# KiCad board SNES Device.kicad_pcb (continued)
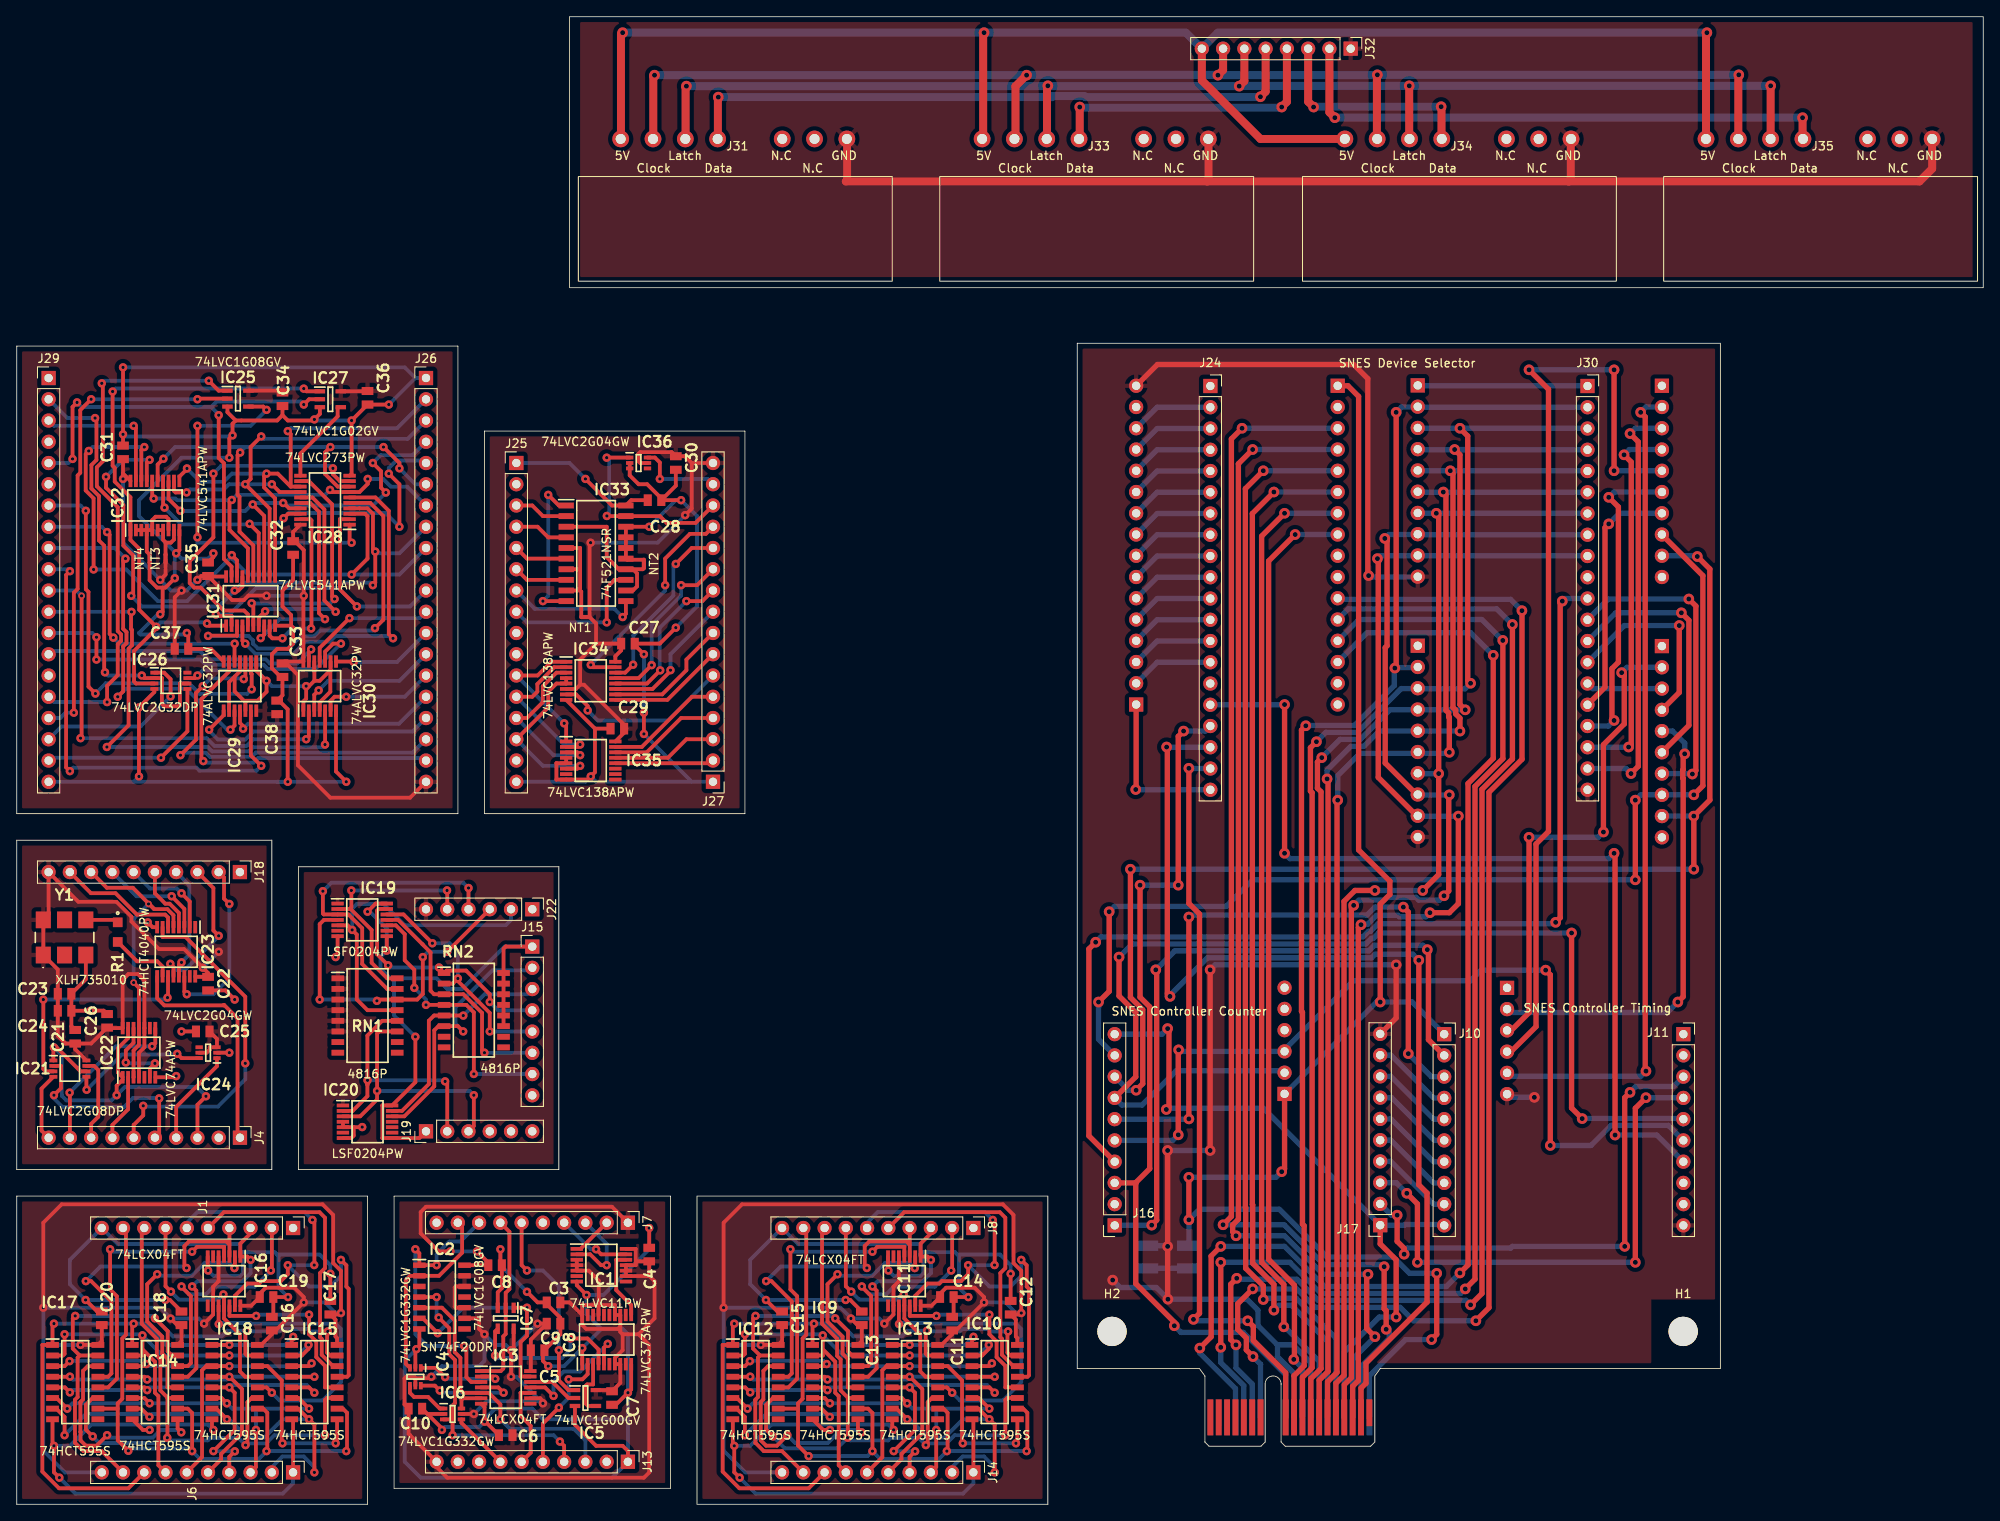
[diagram p0: board, top side]
## Routing (per net, layer and track width the routed paths; a pad name or vN(x,y) marks a point on that pad's centre or on a via; arc(x,y) is an arc through that point) (continued)
/SNES Controller Device/SNES Device Selector/Data3: length 60.8
  Top w0.45: IC32.15 16.84,124.28 v1(17.53,124.97) ; v1(26.69,125.71) 26.38,125.4 26.38,120.66 26.61,120.42 26.61,116.26 28.26,114.61 IC31.15 ; 39.77,121.64 38.34,121.64 36.83,123.15 36.83,125.73 v1(37.47,126.36) ; v1(43.81,126.36) 45.72,124.46 v1(45.72,123.82)
  Bottom w0.45: v1(43.81,126.36) v1(37.47,126.36) 27.3,126.36 ; v1(26.69,125.71) 26.69,125.75 27.3,126.36 ; 27.3,126.36 18.92,126.36 v1(17.53,124.97) ; J26.6 47.63,121.91 v1(45.72,123.82)
/SNES Controller Device/SNES Device Selector/Data4: length 54.5
  Top w0.45: v1(17.65,119.13) 17.49,119.29 IC32.14 ; v1(45.72,116.84) 45.72,121.92 v1(44.45,123.19) ; IC31.14 28.92,116.09 v1(27.82,117.19) ; IC28.18 32.41,118.39 v1(31.88,117.86)
  Bottom w0.45: 48.6,124.75 45.34,124.75 44.45,123.86 v1(44.45,123.19) ; v1(45.72,116.84) 44.08,118.48 32.5,118.48 v1(31.88,117.86) 31.21,117.19 v1(27.82,117.19) 27.75,117.12 19.66,117.12 v1(17.65,119.13)
/SNES Controller Device/SNES Device Selector/Data5: length 53.1
  Top w0.45: v1(44.1,120.93) 43.53,121.5 43.53,123.48 v1(42.55,124.46) ; v1(31.83,119.68) 31.9,119.68 32.54,119.04 IC28.17 ; IC31.13 29.57,118.14 v1(28.19,119.51) ; v1(19.56,118.74) 18.14,120.17 IC32.13
  Bottom w0.45: 28.23,119.67 28.23,119.55 v1(28.19,119.51) ; 28.23,119.67 31.83,119.67 v1(31.83,119.68) 32.13,119.38 42.55,119.38 v1(44.1,120.93) ; 28.23,119.67 27.29,118.73 19.57,118.73 v1(19.56,118.74) ; J26.4 47.3,125.4 43.48,125.4 v1(42.55,124.46)
/SNES Controller Device/SNES Device Selector/Data6: length 56.6
  Top w0.45: IC28.14 31.41,120.99 v1(30.48,121.92) ; IC31.12 30.21,119.01 v1(27.3,121.92) 27.94,122.55 27.94,126.36 v1(29.21,127.63) ; v1(20.29,120.94) 18.98,120.94 18.79,121.13 IC32.12
  Bottom w0.45: v1(20.29,120.94) 20.65,121.3 24.74,121.3 25.36,121.92 v1(30.48,121.92) ; v1(29.21,127.63) 29.5,127.35 46.71,127.35 J26.3
/SNES Controller Device/SNES Device Selector/Data7: length 54.4
  Top w0.45: 19.43,122.83 20.34,123.73 v1(20.34,123.81) ; v1(32.39,128.27) 32.73,127.93 32.73,121.64 ; IC31.11 30.86,120.23 29.56,121.54 29.56,122.9 v1(29.85,123.19) 31.18,123.19 32.73,121.64 IC28.13
  Bottom w0.45: v1(20.34,123.81) 21.94,122.21 24.73,122.21 25.71,123.19 v1(29.85,123.19) ; J26.2 45.44,128.62 32.73,128.62 v1(32.39,128.27)
/SNES Controller Device/SNES Device Selector/Presence3: length 9.7
  Top w0.45: IC32.2 IC32.3 IC32.4 ; NT4.2 15.54,113.87 IC32.4 ; IC32.4 IC32.5 16.18,117.63 16.59,118.03 17.86,118.03 18.14,117.75 IC32.8
/SNES Controller Device/SNES Device Selector/Presence7: length 6
  Top w0.45: IC32.9 18.79,115.3 18.42,114.93 17.83,114.93 ; 17.83,114.93 17.78,114.88 NT3.2 ; 17.83,114.93 17.49,115.28 IC32.7 IC32.6
/SNES Controller Device/SNES Device Selector/Read + ~{Device}: length 74.2
  Top w0.45: IC27.1 34.61,133.03 v1(34.29,133.35) ; v1(11.46,133) 11.46,124.13 11.71,123.87 11.71,122.24 13.59,120.36 IC32.1 13.59,115.25 14.63,114.21 14.63,106.92 v1(16.66,104.89) 16.66,104.64 14.01,102 14.01,98.34 14.26,98.1 IC26.3 ; IC31.1 23,105.01 v1(22.73,105.28)
  Bottom w0.45: v1(11.46,133) 11.82,133.36 34.28,133.36 v1(34.29,133.35) ; v1(22.73,105.28) 22.61,105.41 17.18,105.41 v1(16.66,104.89)
/SNES Controller Device/SNES Device Selector/Write + ~{Device}: length 49.1
  Top w0.45: v1(21.59,99.06) 21.28,98.75 IC26.7 ; 26.67,100.96 26.67,99.57 25.37,98.27 IC29.9 ; IC30.1 34.25,95.95 34.58,96.29 v1(34.58,97.79) 34.92,97.79 35.56,98.42 ; 27.32,96.04 28.77,96.04 29.85,97.12 v1(29.85,98.42) 28.62,99.65 IC29.1 ; IC30.9 37.5,99.72 36.19,98.42 35.56,98.42 ; 37.47,99.57 37.47,97.12 36.19,95.85 IC30.4 ; IC29.12 27.32,95.87 26.04,97.15 26.04,98.93 ; 35.56,98.42 35.56,99.57 35.55,99.58 IC30.12
  Bottom w0.45: v1(34.58,97.79) 30.48,97.79 v1(29.85,98.42) 28.57,99.69 22.22,99.69 v1(21.59,99.06)
/SNES Controller Device/~{Latch Reset}: length 63.2
  Top w0.45: v1(10.16,133.98) 10.28,133.86 10.28,124.66 9.57,123.95 9.57,121.68 12.07,119.19 12.07,104.37 12.47,103.97 12.47,103.2 12.07,102.8 12.07,99.1 10.79,97.83 v1(10.79,95.88) ; IC25.1 24.13,133.1 v1(22.94,134.29)
  Bottom w0.45: v1(10.16,133.98) 10.46,134.29 v1(22.94,134.29) ; J29.16 4.44,95.88 v1(10.79,95.88)
/SNES Controller Device/~{P=Q} In: length 53.8
  Top w0.45: v1(14.94,99.06) 15.25,98.75 IC26.2 17.34,98.75 17.34,95.69 17.65,95.38 19.36,95.38 19.49,95.5 19.49,98.1 19.49,98.1 IC26.6 ; v1(9.36,129.83) 9.52,129.66 9.52,124.82 8.92,124.22 8.92,121.41 9.83,120.5 9.83,115.2 10.45,114.58 10.45,99.53 v1(10.54,99.44)
  Bottom w0.45: v1(14.94,99.06) 10.92,99.06 v1(10.54,99.44) ; J29.2 6.06,129.83 v1(9.36,129.83)
/SNES Controller Device/~{P=Q} Out: length 23.8
  Top w0.45: v1(70.5,118.13) 70.52,118.11 IC33.19 76.83,118.11 77.65,117.3 81.1,117.3 J27.14 ; v1(70.48,125.09) 70.5,125.11 IC36.1
  Bottom w0.45: v1(70.5,118.13) 70.77,118.4 70.77,124.81 v1(70.48,125.09)
/SNES Controller Device/~{Reset}: length 57.9
  Top w0.45: v1(8.89,132.08) 7.59,130.78 7.59,123.29 7.27,122.97 7.27,109.41 6.82,108.95 v1(6.82,94.61) ; v1(21.59,132.08) 21.67,132.16 IC25.2
  Bottom w0.45: J29.17 5.2,93.97 5.84,94.61 v1(6.82,94.61) ; v1(8.89,132.08) v1(21.59,132.08)
/SNES Ports/Clock: length 164.3
  Top w0.953: v2(120.65,170.81) 119.33,169.49 119.33,163.19 ; v2(143.51,170.81) 144.13,171.44 144.13,173.98 ; 162.51,163.19 162.51,170.8 v2(162.56,170.86) ; v2(76.2,170.81) 76.05,170.66 76.05,163.19 ; 205.69,163.19 205.69,170.8 v2(205.74,170.86)
  Bottom w0.953: v2(205.74,170.86) v2(162.56,170.86) 162.52,170.81 v2(143.51,170.81) 143.47,170.86 120.69,170.86 v2(120.65,170.81) v2(76.2,170.81)
/SNES Ports/Data A: length 75.9
  Top w0.953: v2(148.59,168.23) 149.21,168.85 J32.5 ; 83.77,163.19 83.77,168.14 v2(83.82,168.19)
  Bottom w0.953: v2(83.82,168.19) 123.69,168.19 123.82,168.32 127.54,168.32 127.67,168.19 148.55,168.19 v2(148.59,168.23)
/SNES Ports/Data B: length 35.2
  Top w0.953: v2(127,167) 127,163.25 ; J32.4 151.75,167.62 v2(151.13,167)
  Bottom w0.953: v2(151.13,167) 151.05,166.92 127.08,166.92 v2(127,167)
/SNES Ports/Data C: length 26.4
  Top w0.953: 154.29,173.98 154.29,167.66 v2(154.94,167) ; 170.23,163.19 170.23,167 v2(170.18,167.05)
  Bottom w0.953: v2(170.18,167.05) 154.98,167.05 v2(154.94,167)
/SNES Ports/Data D: length 66.9
  Top w0.953: v2(213.36,165.73) 213.36,163.23 ; v2(157.48,165.73) 156.83,166.38 J32.2
  Bottom w0.953: v2(157.48,165.73) v2(213.36,165.73)
/SNES Ports/Latch: length 159.8
  Top w0.953: J32.6 146.67,170.12 v2(146.05,169.5) ; v2(80.01,169.5) 79.91,169.4 79.91,163.19 ; v2(166.37,169.54) 166.37,169.54 166.37,163.19 ; v2(123.19,169.54) 123.09,169.44 123.09,163.19 ; v2(209.55,169.54) 209.55,169.54 J35.5
  Bottom w0.953: v2(209.55,169.54) v2(166.37,169.54) 146.09,169.54 v2(146.05,169.5) v2(80.01,169.5) ; v2(123.19,169.54) 123.23,169.5
Net-(IC2-Pad6): length 25.7
  Top w0.45: v1(50.29,20.45) 50.29,20.46 48.53,22.22 ; 59.39,23.5 v1(60.96,23.5) 60.96,20.14 60.2,19.38 60.2,15.27 60.2,15.27 61.36,15.27
  Bottom w0.45: v1(50.29,20.45) 53.34,23.5 v1(60.96,23.5)
Net-(IC3-Pad2): length 11.2
  Top w0.45: IC4.1 50.08,16.3 v1(51.18,15.2) ; 55.48,15.27 56.89,15.27 v1(57.17,15)
  Bottom w0.45: v1(57.17,15) 51.39,15 v1(51.18,15.2)
Net-(IC3-Pad4): length 13.2
  Top w0.45: IC4.6 49.96,14.18 v1(50.55,13.59) ; IC3.4 57.53,13.97 v1(58.17,13.33)
  Bottom w0.45: v1(50.55,13.59) 50.8,13.33 v1(58.17,13.33)
Net-(IC3-Pad6): length 3.5
  Top w0.45: IC3.6 53.31,12.67 53.13,12.49 IC6.6
Net-(IC3-Pad11): length 15.9
  Top w0.45: IC3.11 63.12,13.97 v1(64.13,12.95) ; IC8.5 70.16,18.72 v1(70.61,19.18)
  Bottom w0.45: v1(70.61,19.18) 67.3,15.86 65.35,15.86 64.13,14.64 v1(64.13,12.95)
Net-(IC3-Pad12): length 6.1
  Top w0.45: IC3.12 64,14.62 65.92,12.7 IC5.2
Net-(IC4-Pad4): length 5.7
  Top w0.45: IC6.1 50.53,11.44 49.15,12.83 47.46,12.83 46.97,13.32 IC4.4
Net-(IC5-Pad4): length 6.9
  Top w0.45: IC8.3 68.86,14.32 68.15,14.32 67.94,14.12 67.94,12.06 68.26,11.75 IC5.4
Net-(IC7-Pad4): length 19.8
  Top w0.45: v1(66.17,19.81) 68.2,19.81 69.51,18.5 IC8.4 ; IC7.4 57.15,20.66 v1(57.15,17.78)
  Bottom w0.45: v1(66.17,19.81) 66.17,18.5 65.15,17.49 57.44,17.49 v1(57.15,17.78)
Net-(IC10-Pad9): length 20.5
  Top w0.45: IC13.14 111.24,16.51 112.94,14.81 112.94,7.38 v1(113.03,7.29) ; v1(119.38,7.29) 119.55,7.46 IC10.9
  Bottom w0.45: v1(113.03,7.29) v1(119.38,7.29)
Net-(IC10-Pad12): length 21.7
  Top w0.45: v1(116.2,22.66) 116.2,20.32 117.07,19.46 117.07,17.59 118.11,16.55 118.11,13.97 IC10.12 ; IC11.12 106.69,22.54 106.72,22.51 v1(109.88,22.51)
  Bottom w0.45: v1(116.2,22.66) 110.03,22.66 v1(109.88,22.51)
Net-(IC11-Pad2): length 27.8
  Top w0.45: 107.34,29.61 107.34,28.28 v1(107.29,28.23) ; IC9.12 99.29,13.97 99.29,17.38 98.67,18.01 98.67,20.04 96.87,21.84 96.87,26.3 v1(98.06,27.49)
  Bottom w0.45: v1(98.06,27.49) 98.23,27.32 102.21,27.32 103.76,28.86 106.65,28.86 v1(107.29,28.23)
Net-(IC11-Pad4): length 33.6
  Top w0.45: v1(92.44,30.48) 92.44,25.67 93.24,24.87 93.24,15.02 92.19,13.97 IC12.12 ; v1(102.23,30.19) 102.81,30.77 106.04,30.77 106.05,30.77 106.05,29.61
  Bottom w0.45: v1(102.23,30.19) 92.72,30.19 v1(92.44,30.48)
Net-(IC11-Pad10): length 35.1
  Top w0.45: v1(111.76,13.33) 111.12,13.97 IC13.12 ; v1(105.41,21.54) 105.39,21.55 IC11.10
  Bottom w0.45: v1(105.41,21.54) 105.55,21.67 109.14,21.67 109.23,21.59 119.38,21.59 120.02,20.95 120.02,14.6 117.82,12.41 112.68,12.41 v1(111.76,13.33)
Net-(IC12-Pad14): length 26.2
  Top w0.45: v1(92.08,8.25) 90.82,7 89.53,7 88.9,7.63 88.9,8.64 88.89,8.66 88.89,12.16 88.9,12.17 88.9,12.23 89.2,12.54 89.2,15.95 89.76,16.51 IC12.14 ; v1(100.94,8.6) 100.5,9.04 IC9.9
  Bottom w0.45: v1(92.08,8.25) 93,7.33 96.9,7.33 98.45,8.88 100.66,8.88 v1(100.94,8.6)
Net-(IC14-Pad9): length 25.6
  Top w0.45: v1(19.66,8.6) 19.22,9.04 IC14.9 ; IC17.14 8.48,16.51 7.92,15.95 7.92,12.54 7.62,12.23 7.62,12.17 7.61,12.16 7.61,8.66 7.62,8.64 7.62,7.63 8.25,7 9.54,7 v1(10.79,8.25)
  Bottom w0.45: v1(19.66,8.6) 19.38,8.88 17.17,8.88 16.26,7.97 11.08,7.97 v1(10.79,8.25)
Net-(IC14-Pad12): length 27.8
  Top w0.45: IC14.12 18.01,13.97 18.01,17.38 17.39,18.01 17.39,20.04 15.59,21.84 15.59,26.3 v1(16.78,27.49) ; v1(26.01,28.23) 26.07,28.28 26.07,29.61
  Bottom w0.45: v1(16.78,27.49) 16.95,27.32 20.93,27.32 22.48,28.86 25.37,28.86 v1(26.01,28.23)
Net-(IC15-Pad9): length 20.5
  Top w0.45: v1(31.75,7.29) 31.66,7.38 31.66,14.81 29.96,16.51 IC18.14 ; IC15.9 38.27,7.46 v1(38.1,7.29)
  Bottom w0.45: v1(31.75,7.29) v1(38.1,7.29)
Net-(IC15-Pad12): length 21.7
  Top w0.45: IC15.12 36.83,13.97 36.83,16.55 35.79,17.59 35.79,19.46 34.92,20.32 v1(34.92,22.66) ; v1(28.6,22.51) 25.44,22.51 25.42,22.54 IC16.12
  Bottom w0.45: v1(34.92,22.66) 28.75,22.66 v1(28.6,22.51)
Net-(IC16-Pad4): length 33.6
  Top w0.45: v1(20.96,30.19) 21.53,30.77 24.76,30.77 24.76,30.77 24.76,29.61 ; v1(11.16,30.48) 11.16,25.67 11.96,24.87 11.96,15.02 10.91,13.97 IC17.12
  Bottom w0.45: v1(11.16,30.48) 11.44,30.19 v1(20.96,30.19)
Net-(IC16-Pad10): length 35.1
  Top w0.45: v1(24.13,21.54) 24.11,21.55 IC16.10 ; IC18.12 29.85,13.97 v1(30.48,13.33)
  Bottom w0.45: v1(30.48,13.33) 31.4,12.41 36.54,12.41 38.73,14.6 38.73,20.95 38.1,21.59 27.95,21.59 27.86,21.67 24.27,21.67 v1(24.13,21.54)
Net-(IC19-Pad10): length 32.5
  Top w0.45: IC19.10 45.29,69.2 46.36,68.14 46.36,65.02 47.5,63.88 v1(47.5,61.72) ; v1(48.89,59.69) RN2.4 53.72,59.69 54.61,58.8 v1(54.61,51.44)
  Bottom w0.45: v1(47.5,61.72) 48.89,60.32 v1(48.89,59.69) ; v1(54.61,51.44) 54.62,51.42 J15.7
Net-(IC19-Pad11): length 29.3
  Top w0.45: v1(55.88,53.97) 55.59,54.26 55.59,58.73 53.36,60.96 RN2.3 49.86,60.96 49.44,61.38 49.44,65.97 48.48,66.93 48.48,66.93 45.56,69.85 IC19.11
  Bottom w0.45: J15.6 55.89,53.96 v1(55.88,53.97)
Net-(IC19-Pad12): length 28.4
  Top w0.45: v1(49.66,67.06) 46.21,70.5 IC19.12 ; v1(56.52,56.51) 56.52,58.73 52.7,62.54 v1(52.7,62.85) 52.09,62.23 51.06,62.23
  Bottom w0.45: J15.5 56.53,56.5 v1(56.52,56.51) ; v1(52.7,62.85) 52.7,66.08 51.73,67.06 v1(49.66,67.06)
Net-(IC19-Pad13): length 28.6
  Top w0.45: IC19.13 43.25,71.15 43.05,70.95 43.05,65.74 v1(44.37,64.42) ; v1(50.45,64.16) 50.45,64.11 RN2.1 51.35,63.79 53.69,63.79 56.51,60.96 v1(56.51,60.04)
  Bottom w0.45: v1(50.45,64.16) 44.63,64.16 v1(44.37,64.42) ; J15.4 57.51,59.04 v1(56.51,60.04)
Net-(IC20-Pad12): length 31.1
  Top w0.45: v1(53.34,56.51) 52.7,57.15 RN2.6 50.38,57.15 49.88,56.65 49.88,49.95 46.3,46.37 IC20.12
  Bottom w0.45: 61.29,63.82 56.83,63.82 52.42,59.4 52.42,57.44 v1(53.34,56.51)
Net-(IC20-Pad13): length 27.2
  Top w0.45: v1(53.35,58.41) 53.34,58.42 RN2.5 49.86,58.42 49.24,57.8 49.24,50.22 46.03,47.02 IC20.13
  Bottom w0.45: v1(53.35,58.41) 55.9,60.96 60.97,60.96 J15.3
Net-(IC21-Pad5): length 17
  Top w0.45: v1(19.18,53.85) 19.7,53.32 IC24.6 ; v1(8.35,49.55) 8.32,49.57 IC21.5
  Bottom w0.45: v1(19.18,53.85) 19.08,53.75 12.55,53.75 v1(8.35,49.55)
Net-(IC22-Pad12): length 9.9
  Top w0.45: v1(16.51,52.7) 15.91,52.1 IC22.6 ; IC22.12 13.95,55.16 13.03,54.24 v1(13.03,52.81)
  Bottom w0.45: v1(16.51,52.7) 13.34,52.7 13.23,52.81 v1(13.03,52.81)
Net-(IC23-Pad10): length 7.7
  Top w0.45: IC23.10 17.43,64.26 16.79,64.9 14.38,64.9 R1.2
Net-(IC25-Pad4): length 46
  Top w0.45: v1(21.59,115.57) v1(21.59,128.9) ; IC25.4 29.45,131.2 v1(29.85,130.81) ; 39.77,117.09 39.77,115.17 v1(40,114.93)
  Bottom w0.45: v1(21.59,115.57) 21.59,114.93 v1(40,114.93) ; v1(21.59,128.9) 27.94,128.9 v1(29.85,130.81)
Net-(IC27-Pad4): length 10
  Top w0.45: 38.34,131.13 38.34,130.03 33.89,125.59 33.89,122.94
Net-(IC28-Pad5): length 44.9
  Top w0.45: IC31.3 26.32,103.82 26.31,103.82 22.89,103.82 v1(22.86,103.79) ; v1(42.8,104.72) 43.8,105.72 43.8,118.12 42.23,119.69 39.77,119.69
  Bottom w0.45: v1(42.8,104.72) 42.52,104.44 36.25,104.44 35.55,103.75 33.94,103.75 32.48,102.29 28.8,102.29 28.23,102.86 28.23,103.25 27.69,103.79 v1(22.86,103.79)
Net-(IC28-Pad6): length 42.2
  Top w0.45: v1(27.3,102.87) 26.96,103.21 IC31.4 ; 39.77,120.34 42.86,120.34 44.45,118.74 44.45,104.01 v1(44.96,103.5)
  Bottom w0.45: v1(27.3,102.87) 28.53,101.64 33.03,101.64 34.48,103.1 37.41,103.1 38.1,103.79 44.67,103.79 v1(44.96,103.5)
Net-(IC28-Pad9): length 41.9
  Top w0.45: 39.77,122.29 38.61,122.29 37.78,123.12 v1(37.78,123.82) ; v1(23.5,123.19) 23.5,115.57 20.67,112.74 20.67,110.11 21.21,109.57 21.97,109.57 24.71,106.82 27.16,106.82 27.61,106.37 IC31.5
  Bottom w0.45: v1(37.78,123.82) 37.49,124.11 24.42,124.11 v1(23.5,123.19)
Net-(IC28-Pad12): length 29.3
  Top w0.45: v1(28.07,107.7) 28.26,107.5 IC31.6 ; v1(37.97,108.2) 37.68,108.5 37.68,119.51 34.91,122.29 IC28.12
  Bottom w0.45: v1(28.07,107.7) 28.1,107.66 37.43,107.66 v1(37.97,108.2)
Net-(IC28-Pad15): length 27
  Top w0.45: v1(38.1,106.68) 36.76,108.02 36.76,118.91 35.32,120.34 IC28.15 ; IC31.7 28.92,105.98 v1(29.67,106.74)
  Bottom w0.45: v1(38.1,106.68) 37.77,107.01 29.95,107.01 v1(29.67,106.74)
Net-(IC28-Pad16): length 26.1
  Top w0.45: v1(36.83,105.79) 36.11,106.51 36.11,118.64 35.05,119.69 IC28.16 ; v1(29.14,103.53) 29.57,103.95 IC31.8
  Bottom w0.45: v1(36.83,105.79) 31.41,105.79 v1(29.14,103.53)
Net-(IC28-Pad19): length 21.1
  Top w0.45: IC31.9 30.21,103.82 30.53,103.5 v1(31.75,103.5) ; v1(35.17,104.68) 35.21,104.72 35.21,117.6 35.08,117.74 33.89,117.74
  Bottom w0.45: v1(35.17,104.68) 32.92,104.68 v1(31.75,103.5)
Net-(J24-Pad2): length 9.9
  Bottom w0.635: J28.14 136.25,131.12 J24.2
Net-(J24-Pad3): length 9.9
  Bottom w0.635: J24.3 136.25,128.58 J28.13
Net-(J24-Pad4): length 9.9
  Bottom w0.635: J28.12 136.25,126.04 J24.4
Net-(J24-Pad5): length 9.9
  Bottom w0.635: J28.11 136.25,123.5 J24.5
Net-(J24-Pad6): length 9.9
  Bottom w0.635: J24.6 136.25,120.96 J28.10
Net-(J24-Pad7): length 9.9
  Bottom w0.635: J28.9 136.25,118.42 J24.7
Net-(J24-Pad8): length 9.9
  Bottom w0.635: J28.8 136.25,115.88 J24.8
Net-(J24-Pad9): length 9.9
  Bottom w0.635: J28.7 136.25,113.34 J24.9
Net-(J24-Pad10): length 9.9
  Bottom w0.635: J24.10 136.25,110.8 J28.6
Net-(J24-Pad11): length 9.9
  Bottom w0.635: J24.11 136.25,108.26 J28.5
Net-(J24-Pad12): length 9.9
  Bottom w0.635: J24.12 136.25,105.72 J28.4
Net-(J24-Pad13): length 9.9
  Bottom w0.635: J28.3 136.25,103.18 J24.13
Net-(J24-Pad14): length 9.9
  Bottom w0.635: J28.2 136.25,100.64 J24.14
Net-(R1-Pad1): length 3.5
  Top w0.45: Y1.4 11.77,69.85

## Copper pours and planes (outline as drawn; the poured copper is in the pictures)
/3.3V on Top: 202.91,24.47 195.29,24.47 195.29,16.85 134.96,16.85 134.96,24.47 127.34,24.47 127.34,138.14 202.91,138.14
/GND on Bottom: 127.34,24.47 134.96,24.47 134.96,16.85 195.29,16.85 195.29,24.47 202.91,24.47 202.91,138.14 127.34,138.14
/SNES Controller Board/SNES Controller Shift Register1/3.3V on Top: 41.28,0.63 0.63,0.63 0.63,36.19 41.28,36.19
/SNES Controller Board/SNES Controller Shift Register1/GND on Bottom: 41.28,0.63 0.63,0.63 0.63,36.19 41.28,36.19
/SNES Controller Board/SNES Controller Shift Register/3.3V on Top: 122.55,0.63 81.91,0.63 81.91,36.19 122.55,36.19
/SNES Controller Board/SNES Controller Shift Register/GND on Bottom: 122.55,0.63 81.91,0.63 81.91,36.19 122.55,36.19
/SNES Controller Board/SNES Controller Translation/3.3V on Top: 64.13,40.64 34.29,40.64 34.29,75.56 64.13,75.56
/SNES Controller Board/SNES Controller Translation/GND on Bottom: 64.13,40.64 34.29,40.64 34.29,75.56 64.13,75.56
/SNES Ports/GND on Top: 233.68,146.69 67.31,146.69 67.31,177.16 233.68,177.16
/SNES Ports/GND on Bottom: 233.68,146.69 67.31,146.69 67.31,177.16 233.68,177.16
/SNES Controller Board/Counter 3.3V on Top: 29.85,40.64 0.63,40.64 0.63,78.74 29.85,78.74
/SNES Controller Board/Counter GND on Bottom: 29.85,40.64 0.63,40.64 0.63,78.74 29.85,78.74
/SNES Controller Board/Timing 3.3V on Top: 77.47,2.54 45.72,2.54 45.72,31.11 74.93,31.11 74.93,36.19 77.47,36.19
/SNES Controller Board/Timing 5V on Top: 74.3,31.75 45.72,31.75 45.72,36.19 74.3,36.19
/SNES Controller Board/Timing GND on Bottom: 77.47,2.54 45.72,2.54 45.72,36.19 77.47,36.19
/SNES Controller Device/Left 3.3V on Top: 86.36,83.18 56.52,83.18 56.52,127.63 86.36,127.63
/SNES Controller Device/Left GND on Bottom: 86.36,83.18 56.52,83.18 56.52,127.63 86.36,127.63
/SNES Controller Device/Right 3.3V on Top: 52.07,83.18 0.63,83.18 0.63,137.79 52.07,137.79
/SNES Controller Device/Right GND on Bottom: 52.07,83.18 0.63,83.18 0.63,137.79 52.07,137.79

## Text on the board
B.Silkscreen: SNES Device Selector | SNES Device Decoder | SNES Controller Translation | SNES Controller C & D Latch | SNES Controller A & B Latch | PORT A | PORT B | PORT C | PORT D | SNES Controller Counter | SNES Controller Timing
F.Silkscreen: SNES Controller Counter | SNES Device Selector | SNES Controller Timing
